# KiCad board hologram v3.kicad_pcb (continued)
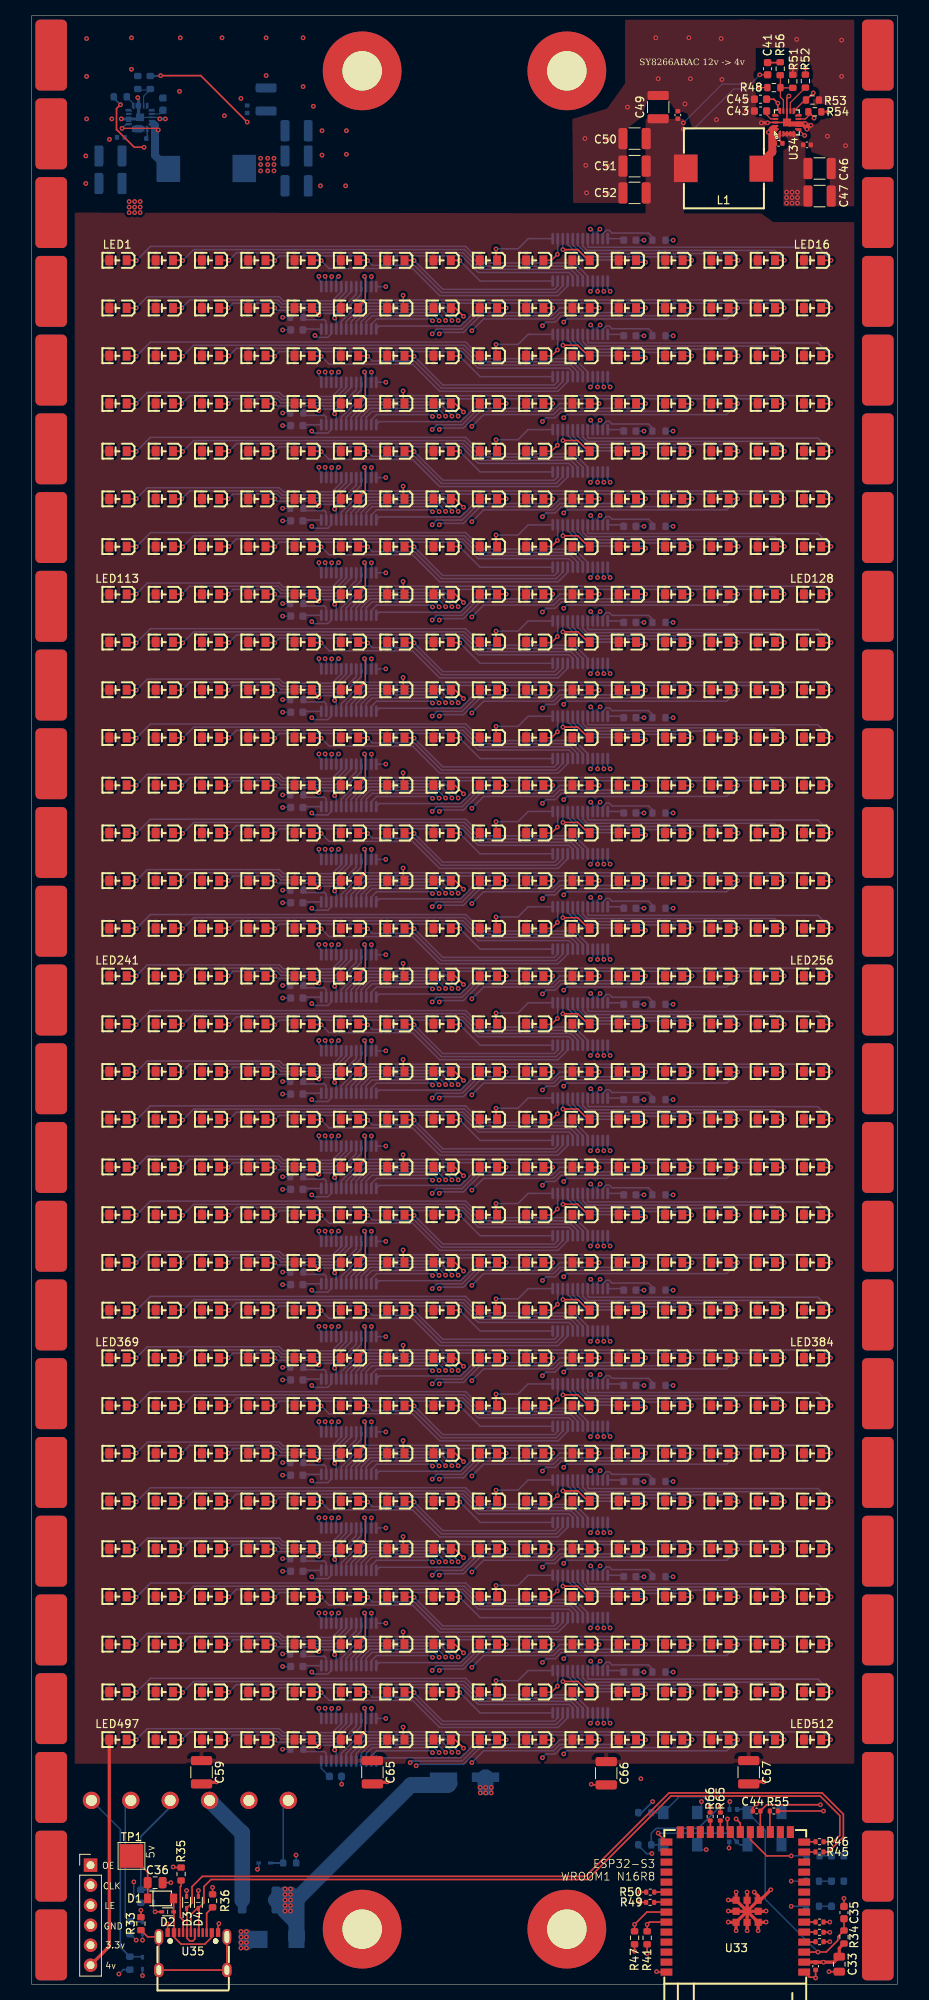
[diagram p0: board, top side]
## Footprints (pads in the part's own frame, mm; a bottom-side part is the same pattern mirrored in y, then rotated) (continued)

## Nets
+12V: C37.1 C46.1 C47.1 C48.1 C53.1 C54.1 C55.1 D9.2 F1.1 R58.1 U34.2 U34.3 U34.4 U34.5 U36.2 U36.3 U36.4 U36.5
GND: C33.2 C34.2 C35.2 C36.2 C37.2 C38.2 C39.2 C42.2 C43.2 C44.2 C45.2 C46.2 C47.2 C48.2 C49.2 C50.2 C51.2 C52.2 C53.2 C54.2 C55.2 C57.2 C59.2 C60.2 C61.2 C62.2 C63.2 C64.2 C65.2 C66.2 C67.2 D2.1 D3.1 D4.1 D5.1 D6.1 D7.1 D8.1 D9.1 D10.1 D11.1 D12.1 J1.4 J2.2 R1.1 R2.1 R3.1 R4.1 R5.1 R6.1 R7.1 R8.1 R9.1 R10.1 R11.1 R12.1 R13.1 R14.1 R15.1 R16.1 R17.1 R18.1 R19.1 R20.1 R21.1 R22.1 R23.1 R24.1 R25.1 R26.1 R27.1 R28.1 R29.1 R30.1 R31.1 R32.1 R33.2 R35.2 R36.2 R40.1 R47.1 R51.2 R53.2 R62.2 SW1.1 SW2.1 SW3.2 SW4.2 U1.1 U2.1 U3.1 U4.1 U5.1 U6.1 U7.1 U8.1 U9.1 U10.1 U11.1 U12.1 U13.1 U14.1 U15.1 U16.1 U17.1 U18.1 U19.1 U20.1 U21.1 U22.1 U23.1 U24.1 U25.1 U26.1 U27.1 U28.1 U29.1 U30.1 U31.1 U32.1 U33.1 U33.40 U33.41 U34.7 U34.8 U34.13 U34.18 U34.21 U35.1 U35.12 U36.7 U36.8 U36.12 U36.13 U36.18 U36.21
VCC: C41.1 C42.1 C49.1 C50.1 C51.1 C52.1 C59.1 C65.1 C66.1 C67.1 J1.6 L1.2 LED1.2 LED2.2 LED3.2 LED4.2 LED5.2 LED6.2 LED7.2 LED8.2 LED9.2 LED10.2 LED11.2 LED12.2 LED13.2 LED14.2 LED15.2 LED16.2 LED17.2 LED18.2 LED19.2 LED20.2 LED21.2 LED22.2 LED23.2 LED24.2 LED25.2 LED26.2 LED27.2 LED28.2 LED29.2 LED30.2 LED31.2 LED32.2 LED33.2 LED34.2 LED35.2 LED36.2 LED37.2 LED38.2 LED39.2 LED40.2 LED41.2 LED42.2 LED43.2 LED44.2 LED45.2 LED46.2 LED47.2 LED48.2 LED49.2 LED50.2 LED51.2 LED52.2 LED53.2 LED54.2 LED55.2 LED56.2 LED57.2 LED58.2 LED59.2 LED60.2 LED61.2 LED62.2 LED63.2 LED64.2 LED65.2 LED66.2 LED67.2 LED68.2 LED69.2 LED70.2 LED71.2 LED72.2 LED73.2 LED74.2 LED75.2 LED76.2 LED77.2 LED78.2 LED79.2 LED80.2 LED81.2 LED82.2 LED83.2 LED84.2 LED85.2 LED86.2 LED87.2 LED88.2 LED89.2 LED90.2 LED91.2 LED92.2 LED93.2 LED94.2 LED95.2 LED96.2 LED97.2 LED98.2 LED99.2 LED100.2 LED101.2 LED102.2 LED103.2 LED104.2 LED105.2 LED106.2 LED107.2 LED108.2 LED109.2 LED110.2 LED111.2 LED112.2 LED113.2 LED114.2 LED115.2 LED116.2 LED117.2 LED118.2 LED119.2 LED120.2 LED121.2 LED122.2 LED123.2 LED124.2 LED125.2 LED126.2 LED127.2 LED128.2 LED129.2 LED130.2 LED131.2 LED132.2 LED133.2 LED134.2 LED135.2 LED136.2 LED137.2 LED138.2 LED139.2 LED140.2 LED141.2 LED142.2 LED143.2 LED144.2 LED145.2 LED146.2 LED147.2 LED148.2 LED149.2 LED150.2 LED151.2 LED152.2 LED153.2 LED154.2 LED155.2 LED156.2 LED157.2 LED158.2 LED159.2 LED160.2 LED161.2 LED162.2 LED163.2 LED164.2 LED165.2 LED166.2 LED167.2 LED168.2 LED169.2 LED170.2 LED171.2 LED172.2 LED173.2 LED174.2 LED175.2 LED176.2 LED177.2 LED178.2 LED179.2 LED180.2 LED181.2 LED182.2 LED183.2 LED184.2 LED185.2 LED186.2 LED187.2 LED188.2 LED189.2 LED190.2 LED191.2 LED192.2 LED193.2 LED194.2 LED195.2 LED196.2 LED197.2 LED198.2 LED199.2 LED200.2 LED201.2 LED202.2 LED203.2 LED204.2 LED205.2 LED206.2 LED207.2 LED208.2 LED209.2 LED210.2 LED211.2 LED212.2 LED213.2 LED214.2 LED215.2 LED216.2 LED217.2 LED218.2 LED219.2 LED220.2 LED221.2 LED222.2 LED223.2 LED224.2 LED225.2 LED226.2 LED227.2 LED228.2 LED229.2 LED230.2 LED231.2 LED232.2 LED233.2 LED234.2 LED235.2 LED236.2 LED237.2 LED238.2 LED239.2 LED240.2 LED241.2 LED242.2 LED243.2 LED244.2 LED245.2 LED246.2 LED247.2 LED248.2 LED249.2 LED250.2 LED251.2 LED252.2 LED253.2 LED254.2 LED255.2 LED256.2 LED257.2 LED258.2 LED259.2 LED260.2 LED261.2 LED262.2 LED263.2 LED264.2 LED265.2 LED266.2 LED267.2 LED268.2 LED269.2 LED270.2 LED271.2 LED272.2 LED273.2 LED274.2 LED275.2 LED276.2 LED277.2 LED278.2 LED279.2 LED280.2 LED281.2 LED282.2 LED283.2 LED284.2 LED285.2 LED286.2 LED287.2 LED288.2 LED289.2 LED290.2 LED291.2 LED292.2 LED293.2 LED294.2 LED295.2 LED296.2 LED297.2 LED298.2 LED299.2 LED300.2 LED301.2 LED302.2 LED303.2 LED304.2 LED305.2 LED306.2 LED307.2 LED308.2 LED309.2 LED310.2 LED311.2 LED312.2 LED313.2 LED314.2 LED315.2 LED316.2 LED317.2 LED318.2 LED319.2 LED320.2 LED321.2 LED322.2 LED323.2 LED324.2 LED325.2 LED326.2 LED327.2 LED328.2 LED329.2 LED330.2 LED331.2 LED332.2 LED333.2 LED334.2 LED335.2 LED336.2 LED337.2 LED338.2 LED339.2 LED340.2 LED341.2 LED342.2 LED343.2 LED344.2 LED345.2 LED346.2 LED347.2 LED348.2 LED349.2 LED350.2 LED351.2 LED352.2 LED353.2 LED354.2 LED355.2 LED356.2 LED357.2 LED358.2 LED359.2 LED360.2 LED361.2 LED362.2 LED363.2 LED364.2 LED365.2 LED366.2 LED367.2 LED368.2 LED369.2 LED370.2 LED371.2 LED372.2 LED373.2 LED374.2 LED375.2 LED376.2 LED377.2 LED378.2 LED379.2 LED380.2 LED381.2 LED382.2 LED383.2 LED384.2 LED385.2 LED386.2 LED387.2 LED388.2 LED389.2 LED390.2 LED391.2 LED392.2 LED393.2 LED394.2 LED395.2 LED396.2 LED397.2 LED398.2 LED399.2 LED400.2 LED401.2 LED402.2 LED403.2 LED404.2 LED405.2 LED406.2 LED407.2 LED408.2 LED409.2 LED410.2 LED411.2 LED412.2 LED413.2 LED414.2 LED415.2 LED416.2 LED417.2 LED418.2 LED419.2 LED420.2 LED421.2 LED422.2 LED423.2 LED424.2 LED425.2 LED426.2 LED427.2 LED428.2 LED429.2 LED430.2 LED431.2 LED432.2 LED433.2 LED434.2 LED435.2 LED436.2 LED437.2 LED438.2 LED439.2 LED440.2 LED441.2 LED442.2 LED443.2 LED444.2 LED445.2 LED446.2 LED447.2 LED448.2 LED449.2 LED450.2 LED451.2 LED452.2 LED453.2 LED454.2 LED455.2 LED456.2 LED457.2 LED458.2 LED459.2 LED460.2 LED461.2 LED462.2 LED463.2 LED464.2 LED465.2 LED466.2 LED467.2 LED468.2 LED469.2 LED470.2 LED471.2 LED472.2 LED473.2 LED474.2 LED475.2 LED476.2 LED477.2 LED478.2 LED479.2 LED480.2 LED481.2 LED482.2 LED483.2 LED484.2 LED485.2 LED486.2 LED487.2 LED488.2 LED489.2 LED490.2 LED491.2 LED492.2 LED493.2 LED494.2 LED495.2 LED496.2 LED497.2 LED498.2 LED499.2 LED500.2 LED501.2 LED502.2 LED503.2 LED504.2 LED505.2 LED506.2 LED507.2 LED508.2 LED509.2 LED510.2 LED511.2 LED512.2 R48.1
VDD: C1.1 C2.1 C3.1 C4.1 C5.1 C6.1 C7.1 C8.1 C9.1 C10.1 C11.1 C12.1 C13.1 C14.1 C15.1 C16.1 C17.1 C18.1 C19.1 C20.1 C21.1 C22.1 C23.1 C24.1 C25.1 C26.1 C27.1 C28.1 C29.1 C30.1 C31.1 C32.1 C33.1 C34.1 C45.1 C60.1 C61.1 C62.1 C63.1 C64.1 J1.5 L2.2 R34.1 R37.2 R38.2 R39.2 R41.1 R52.1 R54.1 R61.1 R63.2 R64.1 U33.2 U34.15
buck4v_EN: R53.1 R55.2 U34.11
buck4v_PG: C44.1 R54.2 U33.18 U34.9
CLK: J1.2 R49.1 U1.3 U2.3 U3.3 U4.3 U5.3 U6.3 U7.3 U8.3 U9.3 U10.3 U11.3 U12.3 U13.3 U14.3 U15.3 U16.3 U17.3 U18.3 U19.3 U20.3 U21.3 U22.3 U23.3 U24.3 U25.3 U26.3 U27.3 U28.3 U29.3 U30.3 U31.3 U32.3
ENC_A: D5.2 J2.6 R39.1 R42.2
ENC_B: D6.2 J2.5 R38.1 R43.2
ENC_Z: D7.2 J2.4 R37.1 R44.2
LE: J1.3 R47.2 U1.4 U2.4 U3.4 U4.4 U5.4 U6.4 U7.4 U8.4 U9.4 U10.4 U11.4 U12.4 U13.4 U14.4 U15.4 U16.4 U17.4 U18.4 U19.4 U20.4 U21.4 U22.4 U23.4 U24.4 U25.4 U26.4 U27.4 U28.4 U29.4 U30.4 U31.4 U32.4 U33.34
MOSI: R50.1 U1.2
NOT_OE: J1.1 R41.2 U1.21 U2.21 U3.21 U4.21 U5.21 U6.21 U7.21 U8.21 U9.21 U10.21 U11.21 U12.21 U13.21 U14.21 U15.21 U16.21 U17.21 U18.21 U19.21 U20.21 U21.21 U22.21 U23.21 U24.21 U25.21 U26.21 U27.21 U28.21 U29.21 U30.21 U31.21 U32.21 U33.35
SDO-01: U1.22 U2.2
SDO-02: U2.22 U3.2
SDO-03: U3.22 U4.2
SDO-04: U4.22 U5.2
SDO-05: U5.22 U6.2
SDO-06: U6.22 U7.2
SDO-07: U7.22 U8.2
SDO-08: U8.22 U9.2
SDO-09: U9.22 U10.2
SDO-10: U10.22 U11.2
SDO-11: U11.22 U12.2
SDO-12: U12.22 U13.2
SDO-13: U13.22 U14.2
SDO-14: U14.22 U15.2
SDO-15: U15.22 U16.2
SDO-16: U16.22 U17.2
SDO-17: U17.22 U18.2
SDO-18: U18.22 U19.2
SDO-19: U19.22 U20.2
SDO-20: U20.22 U21.2
SDO-21: U21.22 U22.2
SDO-22: U22.22 U23.2
SDO-23: U23.22 U24.2
SDO-24: U24.22 U25.2
SDO-25: U25.22 U26.2
SDO-26: U26.22 U27.2
SDO-27: U27.22 U28.2
SDO-28: U28.22 U29.2
SDO-29: U29.22 U30.2
SDO-30: U30.22 U31.2
SDO-31: U31.22 U32.2
SW_Boot: C39.1 SW2.2 U33.27
SW_Reset: C35.1 C38.1 R34.2 SW1.2 U33.3
USB_D+: D4.2 R46.2 U35.6 U35.8
USB_D-: D3.2 R45.2 U35.5 U35.7
Net-(C40-Pad2): C40.2 L1.1 U34.6 U34.19 U34.20
Net-(C41-Pad2): C41.2 R56.1
Net-(C56-Pad2): C56.2 L2.1 U36.6 U36.19 U36.20
Net-(D1-A): D1.2 D2.2 U35.2 U35.11
Net-(D1-K): C36.1 D1.1 TP1.1
Net-(D10-A): D10.2 R57.2
Net-(D11-A): D11.2 R59.2
Net-(D12-A): D12.2 R60.2
Net-(J2-Pin_1): D8.2 J2.1 R40.2
Net-(J2-Pin_3): F1.2 J2.3
Net-(LED1-K): LED1.1 U1.5
Net-(LED2-K): LED2.1 U1.6
Net-(LED3-K): LED3.1 U1.7
Net-(LED4-K): LED4.1 U1.8
Net-(LED5-K): LED5.1 U1.9
Net-(LED6-K): LED6.1 U1.10
Net-(LED7-K): LED7.1 U1.11
Net-(LED8-K): LED8.1 U1.12
Net-(LED9-K): LED9.1 U1.13
Net-(LED10-K): LED10.1 U1.14
Net-(LED11-K): LED11.1 U1.15
Net-(LED12-K): LED12.1 U1.16
Net-(LED13-K): LED13.1 U1.17
Net-(LED14-K): LED14.1 U1.18
Net-(LED15-K): LED15.1 U1.19
Net-(LED16-K): LED16.1 U1.20
Net-(LED17-K): LED17.1 U2.5
Net-(LED18-K): LED18.1 U2.6
Net-(LED19-K): LED19.1 U2.7
Net-(LED20-K): LED20.1 U2.8
Net-(LED21-K): LED21.1 U2.9
Net-(LED22-K): LED22.1 U2.10
Net-(LED23-K): LED23.1 U2.11
Net-(LED24-K): LED24.1 U2.12
Net-(LED25-K): LED25.1 U2.13
Net-(LED26-K): LED26.1 U2.14
Net-(LED27-K): LED27.1 U2.15
Net-(LED28-K): LED28.1 U2.16
Net-(LED29-K): LED29.1 U2.17
Net-(LED30-K): LED30.1 U2.18
Net-(LED31-K): LED31.1 U2.19
Net-(LED32-K): LED32.1 U2.20
Net-(LED33-K): LED33.1 U3.5
Net-(LED34-K): LED34.1 U3.6
Net-(LED35-K): LED35.1 U3.7
Net-(LED36-K): LED36.1 U3.8
Net-(LED37-K): LED37.1 U3.9
Net-(LED38-K): LED38.1 U3.10
Net-(LED39-K): LED39.1 U3.11
Net-(LED40-K): LED40.1 U3.12
Net-(LED41-K): LED41.1 U3.13
Net-(LED42-K): LED42.1 U3.14
Net-(LED43-K): LED43.1 U3.15
Net-(LED44-K): LED44.1 U3.16
Net-(LED45-K): LED45.1 U3.17
Net-(LED46-K): LED46.1 U3.18
Net-(LED47-K): LED47.1 U3.19
Net-(LED48-K): LED48.1 U3.20
Net-(LED49-K): LED49.1 U4.5
Net-(LED50-K): LED50.1 U4.6
Net-(LED51-K): LED51.1 U4.7
Net-(LED52-K): LED52.1 U4.8
Net-(LED53-K): LED53.1 U4.9
Net-(LED54-K): LED54.1 U4.10
Net-(LED55-K): LED55.1 U4.11
Net-(LED56-K): LED56.1 U4.12
Net-(LED57-K): LED57.1 U4.13
Net-(LED58-K): LED58.1 U4.14
Net-(LED59-K): LED59.1 U4.15
Net-(LED60-K): LED60.1 U4.16
Net-(LED61-K): LED61.1 U4.17
Net-(LED62-K): LED62.1 U4.18
Net-(LED63-K): LED63.1 U4.19
Net-(LED64-K): LED64.1 U4.20
Net-(LED65-K): LED65.1 U5.5
Net-(LED66-K): LED66.1 U5.6
Net-(LED67-K): LED67.1 U5.7
Net-(LED68-K): LED68.1 U5.8
Net-(LED69-K): LED69.1 U5.9
Net-(LED70-K): LED70.1 U5.10
Net-(LED71-K): LED71.1 U5.11
Net-(LED72-K): LED72.1 U5.12
Net-(LED73-K): LED73.1 U5.13
Net-(LED74-K): LED74.1 U5.14
Net-(LED75-K): LED75.1 U5.15
Net-(LED76-K): LED76.1 U5.16
Net-(LED77-K): LED77.1 U5.17
Net-(LED78-K): LED78.1 U5.18
Net-(LED79-K): LED79.1 U5.19
Net-(LED80-K): LED80.1 U5.20
Net-(LED81-K): LED81.1 U6.5
Net-(LED82-K): LED82.1 U6.6
Net-(LED83-K): LED83.1 U6.7
Net-(LED84-K): LED84.1 U6.8
Net-(LED85-K): LED85.1 U6.9
Net-(LED86-K): LED86.1 U6.10
Net-(LED87-K): LED87.1 U6.11
Net-(LED88-K): LED88.1 U6.12
Net-(LED89-K): LED89.1 U6.13
Net-(LED90-K): LED90.1 U6.14
Net-(LED91-K): LED91.1 U6.15
Net-(LED92-K): LED92.1 U6.16
Net-(LED93-K): LED93.1 U6.17
Net-(LED94-K): LED94.1 U6.18
Net-(LED95-K): LED95.1 U6.19
Net-(LED96-K): LED96.1 U6.20
Net-(LED97-K): LED97.1 U7.5
Net-(LED98-K): LED98.1 U7.6
Net-(LED99-K): LED99.1 U7.7
Net-(LED100-K): LED100.1 U7.8
Net-(LED101-K): LED101.1 U7.9
Net-(LED102-K): LED102.1 U7.10
Net-(LED103-K): LED103.1 U7.11
Net-(LED104-K): LED104.1 U7.12
Net-(LED105-K): LED105.1 U7.13
Net-(LED106-K): LED106.1 U7.14
Net-(LED107-K): LED107.1 U7.15
Net-(LED108-K): LED108.1 U7.16
Net-(LED109-K): LED109.1 U7.17
Net-(LED110-K): LED110.1 U7.18
Net-(LED111-K): LED111.1 U7.19
Net-(LED112-K): LED112.1 U7.20
Net-(LED113-K): LED113.1 U8.5
Net-(LED114-K): LED114.1 U8.6
Net-(LED115-K): LED115.1 U8.7
Net-(LED116-K): LED116.1 U8.8
Net-(LED117-K): LED117.1 U8.9
Net-(LED118-K): LED118.1 U8.10
Net-(LED119-K): LED119.1 U8.11
Net-(LED120-K): LED120.1 U8.12
Net-(LED121-K): LED121.1 U8.13
Net-(LED122-K): LED122.1 U8.14
Net-(LED123-K): LED123.1 U8.15
Net-(LED124-K): LED124.1 U8.16
Net-(LED125-K): LED125.1 U8.17
Net-(LED126-K): LED126.1 U8.18
Net-(LED127-K): LED127.1 U8.19
Net-(LED128-K): LED128.1 U8.20
Net-(LED129-K): LED129.1 U9.5
Net-(LED130-K): LED130.1 U9.6
Net-(LED131-K): LED131.1 U9.7
Net-(LED132-K): LED132.1 U9.8
Net-(LED133-K): LED133.1 U9.9
Net-(LED134-K): LED134.1 U9.10
Net-(LED135-K): LED135.1 U9.11
Net-(LED136-K): LED136.1 U9.12
Net-(LED137-K): LED137.1 U9.13
Net-(LED138-K): LED138.1 U9.14
Net-(LED139-K): LED139.1 U9.15
Net-(LED140-K): LED140.1 U9.16
Net-(LED141-K): LED141.1 U9.17
Net-(LED142-K): LED142.1 U9.18
Net-(LED143-K): LED143.1 U9.19
Net-(LED144-K): LED144.1 U9.20
Net-(LED145-K): LED145.1 U10.5
Net-(LED146-K): LED146.1 U10.6
Net-(LED147-K): LED147.1 U10.7
Net-(LED148-K): LED148.1 U10.8
Net-(LED149-K): LED149.1 U10.9
Net-(LED150-K): LED150.1 U10.10
Net-(LED151-K): LED151.1 U10.11
Net-(LED152-K): LED152.1 U10.12
Net-(LED153-K): LED153.1 U10.13
Net-(LED154-K): LED154.1 U10.14
Net-(LED155-K): LED155.1 U10.15
Net-(LED156-K): LED156.1 U10.16
Net-(LED157-K): LED157.1 U10.17
Net-(LED158-K): LED158.1 U10.18
Net-(LED159-K): LED159.1 U10.19
Net-(LED160-K): LED160.1 U10.20
Net-(LED161-K): LED161.1 U11.5
Net-(LED162-K): LED162.1 U11.6
Net-(LED163-K): LED163.1 U11.7
Net-(LED164-K): LED164.1 U11.8
Net-(LED165-K): LED165.1 U11.9
Net-(LED166-K): LED166.1 U11.10
Net-(LED167-K): LED167.1 U11.11
Net-(LED168-K): LED168.1 U11.12
Net-(LED169-K): LED169.1 U11.13
Net-(LED170-K): LED170.1 U11.14
Net-(LED171-K): LED171.1 U11.15
Net-(LED172-K): LED172.1 U11.16
Net-(LED173-K): LED173.1 U11.17
Net-(LED174-K): LED174.1 U11.18
Net-(LED175-K): LED175.1 U11.19
Net-(LED176-K): LED176.1 U11.20
Net-(LED177-K): LED177.1 U12.5
Net-(LED178-K): LED178.1 U12.6
Net-(LED179-K): LED179.1 U12.7
Net-(LED180-K): LED180.1 U12.8
Net-(LED181-K): LED181.1 U12.9
Net-(LED182-K): LED182.1 U12.10
Net-(LED183-K): LED183.1 U12.11
Net-(LED184-K): LED184.1 U12.12
Net-(LED185-K): LED185.1 U12.13
Net-(LED186-K): LED186.1 U12.14
Net-(LED187-K): LED187.1 U12.15
Net-(LED188-K): LED188.1 U12.16
Net-(LED189-K): LED189.1 U12.17
Net-(LED190-K): LED190.1 U12.18
Net-(LED191-K): LED191.1 U12.19
Net-(LED192-K): LED192.1 U12.20
Net-(LED193-K): LED193.1 U13.5
Net-(LED194-K): LED194.1 U13.6
Net-(LED195-K): LED195.1 U13.7
Net-(LED196-K): LED196.1 U13.8
Net-(LED197-K): LED197.1 U13.9
Net-(LED198-K): LED198.1 U13.10
Net-(LED199-K): LED199.1 U13.11
Net-(LED200-K): LED200.1 U13.12
Net-(LED201-K): LED201.1 U13.13
Net-(LED202-K): LED202.1 U13.14
Net-(LED203-K): LED203.1 U13.15
Net-(LED204-K): LED204.1 U13.16
Net-(LED205-K): LED205.1 U13.17
Net-(LED206-K): LED206.1 U13.18
Net-(LED207-K): LED207.1 U13.19
Net-(LED208-K): LED208.1 U13.20
Net-(LED209-K): LED209.1 U14.5
Net-(LED210-K): LED210.1 U14.6
Net-(LED211-K): LED211.1 U14.7
Net-(LED212-K): LED212.1 U14.8
Net-(LED213-K): LED213.1 U14.9
Net-(LED214-K): LED214.1 U14.10
Net-(LED215-K): LED215.1 U14.11
Net-(LED216-K): LED216.1 U14.12
Net-(LED217-K): LED217.1 U14.13
Net-(LED218-K): LED218.1 U14.14
Net-(LED219-K): LED219.1 U14.15
Net-(LED220-K): LED220.1 U14.16
Net-(LED221-K): LED221.1 U14.17
Net-(LED222-K): LED222.1 U14.18
Net-(LED223-K): LED223.1 U14.19
Net-(LED224-K): LED224.1 U14.20
Net-(LED225-K): LED225.1 U15.5
Net-(LED226-K): LED226.1 U15.6
Net-(LED227-K): LED227.1 U15.7
Net-(LED228-K): LED228.1 U15.8
Net-(LED229-K): LED229.1 U15.9
Net-(LED230-K): LED230.1 U15.10
Net-(LED231-K): LED231.1 U15.11
Net-(LED232-K): LED232.1 U15.12
Net-(LED233-K): LED233.1 U15.13
Net-(LED234-K): LED234.1 U15.14
Net-(LED235-K): LED235.1 U15.15
Net-(LED236-K): LED236.1 U15.16
Net-(LED237-K): LED237.1 U15.17
Net-(LED238-K): LED238.1 U15.18
Net-(LED239-K): LED239.1 U15.19
Net-(LED240-K): LED240.1 U15.20
Net-(LED241-K): LED241.1 U16.5
Net-(LED242-K): LED242.1 U16.6
Net-(LED243-K): LED243.1 U16.7
Net-(LED244-K): LED244.1 U16.8
Net-(LED245-K): LED245.1 U16.9
Net-(LED246-K): LED246.1 U16.10
Net-(LED247-K): LED247.1 U16.11
Net-(LED248-K): LED248.1 U16.12
Net-(LED249-K): LED249.1 U16.13
Net-(LED250-K): LED250.1 U16.14
Net-(LED251-K): LED251.1 U16.15
Net-(LED252-K): LED252.1 U16.16
Net-(LED253-K): LED253.1 U16.17
Net-(LED254-K): LED254.1 U16.18
Net-(LED255-K): LED255.1 U16.19
Net-(LED256-K): LED256.1 U16.20
Net-(LED257-K): LED257.1 U17.5
Net-(LED258-K): LED258.1 U17.6
Net-(LED259-K): LED259.1 U17.7
Net-(LED260-K): LED260.1 U17.8
Net-(LED261-K): LED261.1 U17.9
Net-(LED262-K): LED262.1 U17.10
Net-(LED263-K): LED263.1 U17.11
Net-(LED264-K): LED264.1 U17.12
Net-(LED265-K): LED265.1 U17.13
Net-(LED266-K): LED266.1 U17.14
Net-(LED267-K): LED267.1 U17.15
Net-(LED268-K): LED268.1 U17.16
Net-(LED269-K): LED269.1 U17.17
Net-(LED270-K): LED270.1 U17.18
Net-(LED271-K): LED271.1 U17.19
Net-(LED272-K): LED272.1 U17.20
Net-(LED273-K): LED273.1 U18.5
Net-(LED274-K): LED274.1 U18.6
Net-(LED275-K): LED275.1 U18.7
Net-(LED276-K): LED276.1 U18.8
Net-(LED277-K): LED277.1 U18.9
Net-(LED278-K): LED278.1 U18.10
Net-(LED279-K): LED279.1 U18.11
Net-(LED280-K): LED280.1 U18.12
Net-(LED281-K): LED281.1 U18.13
Net-(LED282-K): LED282.1 U18.14
Net-(LED283-K): LED283.1 U18.15
Net-(LED284-K): LED284.1 U18.16
Net-(LED285-K): LED285.1 U18.17
Net-(LED286-K): LED286.1 U18.18
Net-(LED287-K): LED287.1 U18.19
Net-(LED288-K): LED288.1 U18.20
Net-(LED289-K): LED289.1 U19.5
Net-(LED290-K): LED290.1 U19.6
Net-(LED291-K): LED291.1 U19.7
Net-(LED292-K): LED292.1 U19.8
Net-(LED293-K): LED293.1 U19.9
Net-(LED294-K): LED294.1 U19.10
Net-(LED295-K): LED295.1 U19.11
Net-(LED296-K): LED296.1 U19.12
Net-(LED297-K): LED297.1 U19.13
Net-(LED298-K): LED298.1 U19.14
Net-(LED299-K): LED299.1 U19.15
Net-(LED300-K): LED300.1 U19.16
Net-(LED301-K): LED301.1 U19.17
Net-(LED302-K): LED302.1 U19.18
Net-(LED303-K): LED303.1 U19.19
Net-(LED304-K): LED304.1 U19.20
Net-(LED305-K): LED305.1 U20.5
Net-(LED306-K): LED306.1 U20.6
Net-(LED307-K): LED307.1 U20.7
Net-(LED308-K): LED308.1 U20.8
Net-(LED309-K): LED309.1 U20.9
Net-(LED310-K): LED310.1 U20.10
Net-(LED311-K): LED311.1 U20.11
Net-(LED312-K): LED312.1 U20.12
Net-(LED313-K): LED313.1 U20.13
Net-(LED314-K): LED314.1 U20.14
Net-(LED315-K): LED315.1 U20.15
Net-(LED316-K): LED316.1 U20.16
Net-(LED317-K): LED317.1 U20.17
Net-(LED318-K): LED318.1 U20.18
Net-(LED319-K): LED319.1 U20.19
Net-(LED320-K): LED320.1 U20.20
Net-(LED321-K): LED321.1 U21.5
Net-(LED322-K): LED322.1 U21.6
Net-(LED323-K): LED323.1 U21.7
Net-(LED324-K): LED324.1 U21.8
Net-(LED325-K): LED325.1 U21.9
Net-(LED326-K): LED326.1 U21.10
Net-(LED327-K): LED327.1 U21.11
Net-(LED328-K): LED328.1 U21.12
Net-(LED329-K): LED329.1 U21.13
Net-(LED330-K): LED330.1 U21.14
Net-(LED331-K): LED331.1 U21.15
Net-(LED332-K): LED332.1 U21.16
Net-(LED333-K): LED333.1 U21.17
Net-(LED334-K): LED334.1 U21.18
Net-(LED335-K): LED335.1 U21.19
Net-(LED336-K): LED336.1 U21.20
Net-(LED337-K): LED337.1 U22.5
Net-(LED338-K): LED338.1 U22.6
Net-(LED339-K): LED339.1 U22.7
Net-(LED340-K): LED340.1 U22.8
Net-(LED341-K): LED341.1 U22.9
Net-(LED342-K): LED342.1 U22.10
Net-(LED343-K): LED343.1 U22.11
Net-(LED344-K): LED344.1 U22.12
Net-(LED345-K): LED345.1 U22.13
Net-(LED346-K): LED346.1 U22.14
Net-(LED347-K): LED347.1 U22.15
Net-(LED348-K): LED348.1 U22.16
Net-(LED349-K): LED349.1 U22.17
Net-(LED350-K): LED350.1 U22.18
Net-(LED351-K): LED351.1 U22.19
Net-(LED352-K): LED352.1 U22.20
Net-(LED353-K): LED353.1 U23.5
Net-(LED354-K): LED354.1 U23.6
Net-(LED355-K): LED355.1 U23.7
Net-(LED356-K): LED356.1 U23.8
Net-(LED357-K): LED357.1 U23.9
Net-(LED358-K): LED358.1 U23.10
Net-(LED359-K): LED359.1 U23.11
Net-(LED360-K): LED360.1 U23.12
Net-(LED361-K): LED361.1 U23.13
Net-(LED362-K): LED362.1 U23.14
Net-(LED363-K): LED363.1 U23.15
Net-(LED364-K): LED364.1 U23.16
Net-(LED365-K): LED365.1 U23.17
Net-(LED366-K): LED366.1 U23.18
Net-(LED367-K): LED367.1 U23.19
Net-(LED368-K): LED368.1 U23.20
Net-(LED369-K): LED369.1 U24.5
Net-(LED370-K): LED370.1 U24.6
Net-(LED371-K): LED371.1 U24.7
Net-(LED372-K): LED372.1 U24.8
Net-(LED373-K): LED373.1 U24.9
Net-(LED374-K): LED374.1 U24.10
Net-(LED375-K): LED375.1 U24.11
Net-(LED376-K): LED376.1 U24.12
Net-(LED377-K): LED377.1 U24.13
Net-(LED378-K): LED378.1 U24.14
Net-(LED379-K): LED379.1 U24.15
Net-(LED380-K): LED380.1 U24.16
Net-(LED381-K): LED381.1 U24.17
Net-(LED382-K): LED382.1 U24.18
Net-(LED383-K): LED383.1 U24.19
Net-(LED384-K): LED384.1 U24.20
Net-(LED385-K): LED385.1 U25.5
Net-(LED386-K): LED386.1 U25.6
Net-(LED387-K): LED387.1 U25.7
Net-(LED388-K): LED388.1 U25.8
Net-(LED389-K): LED389.1 U25.9
Net-(LED390-K): LED390.1 U25.10
Net-(LED391-K): LED391.1 U25.11
Net-(LED392-K): LED392.1 U25.12
Net-(LED393-K): LED393.1 U25.13
Net-(LED394-K): LED394.1 U25.14
Net-(LED395-K): LED395.1 U25.15
Net-(LED396-K): LED396.1 U25.16
Net-(LED397-K): LED397.1 U25.17
Net-(LED398-K): LED398.1 U25.18
Net-(LED399-K): LED399.1 U25.19
Net-(LED400-K): LED400.1 U25.20
Net-(LED401-K): LED401.1 U26.5
Net-(LED402-K): LED402.1 U26.6
Net-(LED403-K): LED403.1 U26.7
Net-(LED404-K): LED404.1 U26.8
Net-(LED405-K): LED405.1 U26.9
Net-(LED406-K): LED406.1 U26.10
Net-(LED407-K): LED407.1 U26.11
Net-(LED408-K): LED408.1 U26.12
Net-(LED409-K): LED409.1 U26.13
Net-(LED410-K): LED410.1 U26.14
Net-(LED411-K): LED411.1 U26.15
Net-(LED412-K): LED412.1 U26.16
Net-(LED413-K): LED413.1 U26.17
Net-(LED414-K): LED414.1 U26.18
Net-(LED415-K): LED415.1 U26.19
Net-(LED416-K): LED416.1 U26.20
Net-(LED417-K): LED417.1 U27.5
Net-(LED418-K): LED418.1 U27.6
Net-(LED419-K): LED419.1 U27.7
Net-(LED420-K): LED420.1 U27.8
Net-(LED421-K): LED421.1 U27.9
Net-(LED422-K): LED422.1 U27.10
Net-(LED423-K): LED423.1 U27.11
Net-(LED424-K): LED424.1 U27.12
Net-(LED425-K): LED425.1 U27.13
Net-(LED426-K): LED426.1 U27.14
Net-(LED427-K): LED427.1 U27.15
Net-(LED428-K): LED428.1 U27.16
Net-(LED429-K): LED429.1 U27.17
Net-(LED430-K): LED430.1 U27.18
Net-(LED431-K): LED431.1 U27.19
Net-(LED432-K): LED432.1 U27.20
Net-(LED433-K): LED433.1 U28.5
Net-(LED434-K): LED434.1 U28.6
Net-(LED435-K): LED435.1 U28.7
Net-(LED436-K): LED436.1 U28.8
Net-(LED437-K): LED437.1 U28.9
Net-(LED438-K): LED438.1 U28.10
Net-(LED439-K): LED439.1 U28.11
Net-(LED440-K): LED440.1 U28.12
Net-(LED441-K): LED441.1 U28.13
Net-(LED442-K): LED442.1 U28.14
Net-(LED443-K): LED443.1 U28.15
Net-(LED444-K): LED444.1 U28.16
Net-(LED445-K): LED445.1 U28.17
Net-(LED446-K): LED446.1 U28.18
Net-(LED447-K): LED447.1 U28.19
Net-(LED448-K): LED448.1 U28.20
Net-(LED449-K): LED449.1 U29.5
Net-(LED450-K): LED450.1 U29.6
Net-(LED451-K): LED451.1 U29.7
Net-(LED452-K): LED452.1 U29.8
Net-(LED453-K): LED453.1 U29.9
Net-(LED454-K): LED454.1 U29.10
Net-(LED455-K): LED455.1 U29.11
Net-(LED456-K): LED456.1 U29.12
Net-(LED457-K): LED457.1 U29.13
Net-(LED458-K): LED458.1 U29.14
Net-(LED459-K): LED459.1 U29.15
Net-(LED460-K): LED460.1 U29.16
Net-(LED461-K): LED461.1 U29.17
Net-(LED462-K): LED462.1 U29.18
Net-(LED463-K): LED463.1 U29.19
Net-(LED464-K): LED464.1 U29.20
Net-(LED465-K): LED465.1 U30.5
Net-(LED466-K): LED466.1 U30.6
Net-(LED467-K): LED467.1 U30.7
Net-(LED468-K): LED468.1 U30.8
Net-(LED469-K): LED469.1 U30.9
Net-(LED470-K): LED470.1 U30.10
Net-(LED471-K): LED471.1 U30.11
Net-(LED472-K): LED472.1 U30.12
Net-(LED473-K): LED473.1 U30.13
Net-(LED474-K): LED474.1 U30.14
Net-(LED475-K): LED475.1 U30.15
Net-(LED476-K): LED476.1 U30.16
Net-(LED477-K): LED477.1 U30.17
Net-(LED478-K): LED478.1 U30.18
Net-(LED479-K): LED479.1 U30.19
Net-(LED480-K): LED480.1 U30.20
Net-(LED481-K): LED481.1 U31.5
Net-(LED482-K): LED482.1 U31.6
Net-(LED483-K): LED483.1 U31.7
Net-(LED484-K): LED484.1 U31.8
Net-(LED485-K): LED485.1 U31.9
Net-(LED486-K): LED486.1 U31.10
Net-(LED487-K): LED487.1 U31.11
Net-(LED488-K): LED488.1 U31.12
Net-(LED489-K): LED489.1 U31.13
Net-(LED490-K): LED490.1 U31.14
Net-(LED491-K): LED491.1 U31.15
Net-(LED492-K): LED492.1 U31.16
Net-(LED493-K): LED493.1 U31.17
Net-(LED494-K): LED494.1 U31.18
Net-(LED495-K): LED495.1 U31.19
Net-(LED496-K): LED496.1 U31.20
Net-(LED497-K): LED497.1 U32.5
Net-(LED498-K): LED498.1 U32.6
Net-(LED499-K): LED499.1 U32.7
Net-(LED500-K): LED500.1 U32.8
Net-(LED501-K): LED501.1 U32.9
Net-(LED502-K): LED502.1 U32.10
Net-(LED503-K): LED503.1 U32.11
Net-(LED504-K): LED504.1 U32.12
Net-(LED505-K): LED505.1 U32.13
Net-(LED506-K): LED506.1 U32.14
Net-(LED507-K): LED507.1 U32.15
Net-(LED508-K): LED508.1 U32.16
Net-(LED509-K): LED509.1 U32.17
Net-(LED510-K): LED510.1 U32.18
Net-(LED511-K): LED511.1 U32.19
Net-(LED512-K): LED512.1 U32.20
Net-(R33-Pad1): R33.1 U35.13 U35.14
Net-(SW3-A): R63.1 R66.2 SW3.1
Net-(SW4-A): R64.2 R65.1 SW4.1
Net-(U1-R-EXT): R1.2 U1.23
Net-(U1-VDD): C1.2 U1.24
Net-(U2-R-EXT): R2.2 U2.23
Net-(U2-VDD): C2.2 U2.24
Net-(U3-R-EXT): R3.2 U3.23
Net-(U3-VDD): C3.2 U3.24
Net-(U4-R-EXT): R4.2 U4.23
Net-(U4-VDD): C4.2 U4.24
Net-(U5-R-EXT): R5.2 U5.23
Net-(U5-VDD): C5.2 U5.24
Net-(U6-R-EXT): R6.2 U6.23
Net-(U6-VDD): C6.2 U6.24
Net-(U7-R-EXT): R7.2 U7.23
Net-(U7-VDD): C7.2 U7.24
Net-(U8-R-EXT): R8.2 U8.23
Net-(U8-VDD): C8.2 U8.24
Net-(U9-R-EXT): R9.2 U9.23
Net-(U9-VDD): C9.2 U9.24
Net-(U10-R-EXT): R10.2 U10.23
Net-(U10-VDD): C10.2 U10.24
Net-(U11-R-EXT): R11.2 U11.23
Net-(U11-VDD): C11.2 U11.24
Net-(U12-R-EXT): R12.2 U12.23
Net-(U12-VDD): C12.2 U12.24
Net-(U13-R-EXT): R13.2 U13.23
Net-(U13-VDD): C13.2 U13.24
Net-(U14-R-EXT): R14.2 U14.23
Net-(U14-VDD): C14.2 U14.24
Net-(U15-R-EXT): R15.2 U15.23
Net-(U15-VDD): C15.2 U15.24
Net-(U16-R-EXT): R16.2 U16.23
Net-(U16-VDD): C16.2 U16.24
Net-(U17-R-EXT): R17.2 U17.23
Net-(U17-VDD): C17.2 U17.24
Net-(U18-R-EXT): R18.2 U18.23
Net-(U18-VDD): C18.2 U18.24
Net-(U19-R-EXT): R19.2 U19.23
Net-(U19-VDD): C19.2 U19.24
Net-(U20-R-EXT): R20.2 U20.23
Net-(U20-VDD): C20.2 U20.24
Net-(U21-R-EXT): R21.2 U21.23
Net-(U21-VDD): C21.2 U21.24